# Altium PCB PCB1.PcbDoc (part 13 of 14)
Units mm, origin at the board's own origin, x right, y up, seen from the top; angles counter-clockwise.
Board outline 77.2 x 62.23 mm, 2 copper layers (Top Layer, Bottom Layer); 102 components, 131 nets, 23089 pads, 324 vias.
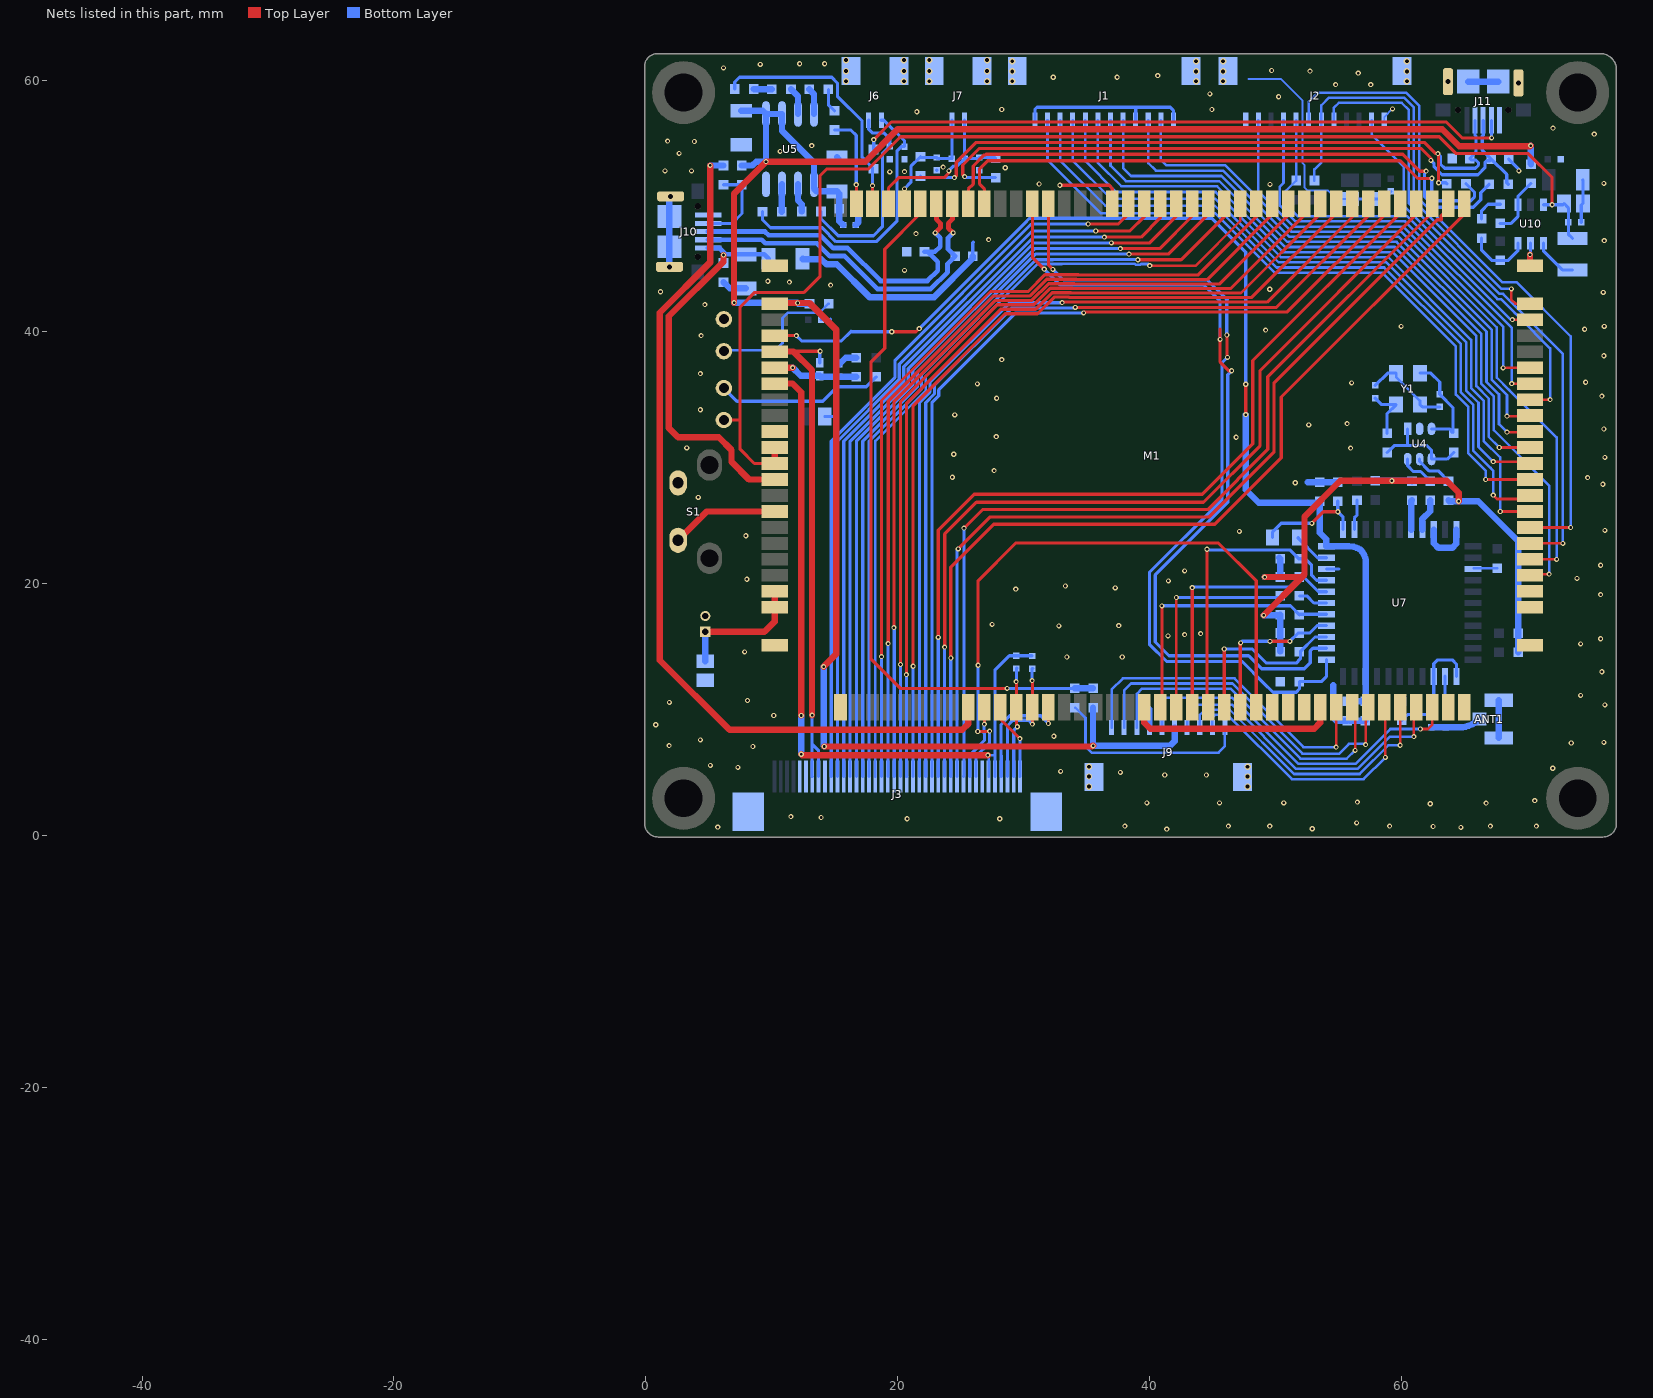
[diagram p13: the nets of this part, all layers, seen from the top]

## Via types
v1: diameter 0.406, hole 0.203, Top Layer to Bottom Layer, tented both sides, 294 vias
v2: diameter 0.508, hole 0.305, Top Layer to Bottom Layer, tented both sides, 30 vias

## Nets (pads, with @x,y where several pads share a name; then routed paths per layer and width w, separated by ;. In a path a pad name is that pad's centre, name@x,y a point inside that pad or via, vN(x,y) a via of type N, cw(c..) or ccw(c..) an arc to the next point about the centre after c; other vN are vias at no path point) (continued)
GND: ANT1.2 ANT1.3 C23.2 C24.2 C25.2 C28.2 C29.2 C32.1 C33.1 C34.2 C35.1 C36.2 C37.1 C39.2 C40.2 C41.2 C42.2 C43.2 C44.1 C45.2 C47.1 C48.1 C50.2 C51.2 C55.1 C56.1 C57.2 C102.2 C103.1 C104.2 C105.1 C110.2 D7.K D11.1 D12.1 D21.1 D22.1 J1.1 J1.9 J1.12 J1.13 J1.14 J2.1 J2.12 J2.13 J2.14 J3.5 J3.6 J3.9 J3.34 J3.41 J3.42 J6.3 J6.4 J7.3 J7.4 J8.2 J9.7 J9.11 J9.12 J10.5 J10.6 J11.5 J11.6 M1.9 M1.40 M1.51 M1.103 M1.121 M1.122 M1.123 M1.124 R74.2 R76.1 R77.2 R82.2 R102.1 R104.1 S1.1 U4.2 U5.8 U7.1 U7.3 U7.20 U7.31 U7.33 U7.36 U10.2 Y1.2 Y1.4 | length 134
  Top Layer w0.254: v1(32.893,51.638) 36.805,51.638 37.056,51.387 M1.103@37.056,50.175
  Top Layer w0.508: M1.9@10.231,32.08 M1.9@10.282,32.131 ; M1.40@39.596,10.175 39.596,8.943 40.056,8.484 53.086,8.484 53.566,8.964 M1.51@53.566,10.175 ; M1.124@70.231,45.24 v1(70.231,46.126)
  Bottom Layer w0.152: 47.879,60.096 50.444,60.096 52.146,58.395 52.146,53.416 52.324,53.238 52.324,51.46 52.553,51.232 54.153,51.232 54.842,50.543 C28.2@55.931,50.543 ; J2.12@58.654,56.805 58.654,57.054 v1(59.309,57.709)
  Bottom Layer w0.203: C29.2@14.212,33.274 15.113,33.274 ; Y1.2@59.595,36.723 59.595,36.417 61.495,34.517 Y1.4@61.495,34.223 ; U7.36@65.782,21.234 R74.2@67.615,21.234
  Bottom Layer w0.254: J10.6@1.878,50.658 J10.6@1.985,50.764 ; C23.2@13.919,40.97 14.656,40.97 14.681,40.996 ; C35.1@23.114,52.832 C35.1@23.122,52.84 ; D22.1@25.971,46.012 25.971,47.079 26.01,47.117 ; C39.2@26.492,52.832 C39.2@26.492,52.959 ; J1.1@30.909,56.805 30.909,57.655 31.09,57.836 38.837,57.836 ; J1.9@38.909,56.805 38.909,57.763 38.837,57.836 ; J1.12@41.909,56.805 41.909,57.583 41.656,57.836 38.837,57.836 ; U7.20@54.06,21.162 55.038,21.162 55.042,21.158 ; C28.2@55.931,50.543 C24.2@57.709,50.543 58.569,50.543 C25.2@59.182,51.156 ; C34.2@57.944,35.747 58.92,36.723 Y1.2@59.595,36.723 ; R77.2@60.043,9.141 60.503,9.601 C47.1@62.382,9.601 62.535,9.754 C48.1@62.535,10.744 62.585,10.794 U7.3@62.585,12.637 62.585,13.639 62.89,13.945 64.059,13.945 64.385,13.619 U7.1@64.385,12.637 ; Y1.4@61.495,34.223 61.682,34.036 C45.2@63.068,34.036 ; R104.1@66.389,48.971 66.389,49.632 66.897,50.14 R102.1@67.862,50.14 ; D12.1@68.542,53.721 69.342,52.921 v1(69.342,52.781) ; v1(70.231,46.126) 70.282,46.177 U10.2@70.282,47.041 ; C103.1@74.295,48.692 74.295,50.05 C102.2@74.435,50.19 74.435,52.06 C104.2@74.426,52.07
  Bottom Layer w0.508: J10.6@1.878,45.164 J10.6@1.878,46.77 J10.6@1.878,49.158 J10.6@1.878,50.658 ; C44.1@6.172,43.94 6.658,43.454 C42.2@7.95,43.454 ; C43.2@12.454,45.795 12.478,45.771 13.948,45.771 14.354,45.364 15.164,45.364 17.767,42.761 22.9,42.761 25.971,45.832 D22.1@25.971,46.012 ; C32.1@15.189,53.852 C32.1@15.295,53.746 ; C50.2@15.367,37.44 15.875,37.948 R76.1@16.713,37.948 ; C33.1@16.688,48.489 16.891,48.692 C110.2@16.891,49.784 ; 39.726,10.287 40,10.013 J9.7@40,8.56 ; 52.578,28.067 C56.1@54.966,28.067 ; 54.61,11.938 54.61,9.373 54.864,9.119 C57.2@55.702,9.119 ; C57.2@55.956,9.119 C51.2@57.15,9.119 ; U7.31@62.585,24.287 62.585,23.216 62.967,22.835 64.059,22.835 64.385,23.161 U7.33@64.385,24.287 ; J11.6@65.319,59.869 J11.6@67.707,59.869 ; ANT1.3@67.742,7.744 ANT1.2@67.742,10.744
  other v1: 41.377,0.508 52.934,0.533 64.745,0.635 5.715,0.66 62.535,0.711 38.049,0.737 46.279,0.737 49.555,0.737 59.08,0.737 67.081,0.737 70.739,0.737 56.464,0.991 20.752,1.321 28.118,1.321 13.919,1.422 11.532,1.499 62.306,2.515 66.751,2.565 39.802,2.591 45.568,2.591 50.673,2.591 56.515,2.642 70.612,2.769 41.224,4.801 44.526,4.801 37.694,5.004 32.944,5.08 72.034,5.334 7.315,5.41 5.131,5.563 8.509,7.061 1.854,7.137 73.508,7.341 76.098,7.391 4.343,7.595 32.41,7.874 0.787,8.788 10.16,9.525 76.175,10.363 1.88,10.566 8.077,10.719 74.244,11.125 75.946,13.005 33.452,14.173 37.846,14.173 7.849,14.58 74.244,15.215 75.844,15.621 41.478,15.85 42.799,15.951 44.069,16.027 32.817,16.637 37.567,16.662 27.508,16.764 75.844,19.126 29.388,19.558 37.287,19.66 33.325,19.812 41.504,20.218 8.026,20.345 73.965,20.422 42.799,21.006 75.844,21.463 7.95,23.8 47.142,24.155 76.175,24.232 4.166,26.848 76.022,27.889 51.587,28.016 74.803,28.423 24.359,28.448 27.661,28.981 76.175,30.023 24.46,30.277 55.982,30.759 3.251,30.785 46.888,31.623 27.838,31.674 76.098,32.283 52.654,32.614 55.702,32.715 24.536,33.401 4.343,33.807 27.864,34.722 75.946,34.9 26.34,35.865 56.058,35.941 74.651,35.992 4.343,36.678 28.27,37.795 76.098,38.1 4.394,39.7 49.225,40.132 74.574,40.208 59.995,40.437 76.124,40.437 4.699,42.164 76.048,43.129 1.168,43.18 49.555,43.383 14.681,43.713 11.405,43.942 9.703,44.018 20.549,44.882 76.124,47.244 27.229,47.32 21.463,47.803 49.581,51.714 31.242,51.74 76.098,51.791 19.38,52.705 20.549,52.73 1.524,52.781 3.632,52.781 28.55,53.035 23.622,53.086 2.642,54.178 10.668,54.331 13.183,54.788 3.861,55.118 1.727,55.143 75.336,55.702 72.06,56.185 21.539,57.48 28.27,57.658 44.958,57.658 50.267,58.674 44.806,58.903 54.788,59.639 57.582,59.639 32.36,60.223 37.44,60.223 40.665,60.35 56.591,60.554 52.756,60.706 49.708,60.757 6.172,60.96 9.093,61.239 12.217,61.29 14.199,61.29
  other v2: 35.2,3.88 47.8,3.88 35.2,4.68 47.8,4.68 35.2,5.46 47.8,5.46 15.904,59.905 20.504,59.905 22.514,59.905 27.114,59.905 29.109,59.905 43.709,59.905 45.854,59.905 60.454,59.905 29.109,60.685 43.709,60.685 45.854,60.685 60.454,60.685 15.904,60.705 20.504,60.705 22.514,60.705 27.114,60.705 29.109,61.485 43.709,61.485 45.854,61.485 60.454,61.485 15.904,61.585 20.504,61.585 22.514,61.585 27.114,61.585
HPL: C101.1 M1.118 R120.1 | length 19.8
  Top Layer w0.254: M1.118@18.006,50.175 18.006,51.61 v1(18.009,51.613)
  Bottom Layer w0.254: C101.1@7.061,59.284 7.061,59.842 7.442,60.223 14.767,60.223 15.224,59.767 15.224,58.716 17.174,56.766 17.174,54.542 17.18,54.536 17.18,53.864 18.009,53.035 v1(18.009,51.613)
HPR: C100.1 M1.119 | length 7.4
  Top Layer w0.254: v1(16.713,51.689) 16.736,51.666 M1.119@16.736,50.175
  Bottom Layer w0.254: C100.1@14.986,56.032 16.281,56.032 16.716,55.597 16.716,54.185 16.723,54.178 16.723,51.689 v1(16.713,51.689)
LCD-BL-EN: J3.33 M1.47 | length 51.7
  Top Layer w0.254: v1(26.365,8.255) 27.33,8.255 v1(27.305,8.28) ; v1(26.391,13.513) 26.391,20.244 29.362,23.216 45.491,23.216 48.486,20.221 M1.47@48.486,10.175
  Bottom Layer w0.254: J3.33@26.229,4.674 26.229,6.29 27.305,7.366 v1(27.305,8.28) ; v1(26.365,8.255) 26.391,8.28 v1(26.391,13.513)
LCD-CLK: J3.28 M1.84 | length 71.6
  Top Layer w0.254: v1(23.729,14.955) 23.747,14.973 23.747,23.951 26.264,26.467 44.296,26.467 48.793,30.964 48.793,36.932 61.186,49.324 M1.84@61.186,50.175
  Bottom Layer w0.254: J3.28@23.729,4.674 v1(23.729,14.955)
LCD-D2: J3.10 M1.102 | length 59.3
  Top Layer w0.254: v1(35.128,48.565) 37.541,48.565 38.326,49.35 M1.102@38.326,50.175
  Bottom Layer w0.254: J3.10@14.729,4.674 14.729,31.308 19.785,36.364 19.785,37.717 30.632,48.565 v1(35.128,48.565)
LCD-D3: J3.11 M1.101 | length 60.1
  Top Layer w0.254: v1(35.738,48.006) 38.456,48.006 39.596,49.146 M1.101@39.596,50.175
  Bottom Layer w0.254: J3.11@15.229,4.674 15.229,31.307 20.139,36.217 20.139,37.436 30.709,48.006 v1(35.738,48.006)
LCD-D4: J3.12 M1.100 | length 60.9
  Top Layer w0.254: v1(36.424,47.523) 39.345,47.523 40.866,49.045 M1.100@40.866,50.175
  Bottom Layer w0.254: J3.12@15.729,4.674 15.729,31.307 20.493,36.07 20.493,37.223 30.793,47.523 v1(36.424,47.523)
LCD-D5: J3.13 M1.99 | length 61.6
  Top Layer w0.254: v1(36.982,47.066) 40.03,47.066 42.136,49.172 M1.99@42.136,50.175
  Bottom Layer w0.254: J3.13@16.229,4.674 16.229,31.306 20.847,35.924 20.847,37.077 30.837,47.066 v1(36.982,47.066)
LCD-D6: J3.14 M1.98 | length 62.4
  Top Layer w0.254: v1(37.694,46.609) 40.818,46.609 43.406,49.197 M1.98@43.406,50.175
  Bottom Layer w0.254: J3.14@16.729,4.674 16.729,31.305 21.201,35.777 21.201,36.93 30.88,46.609 v1(37.694,46.609)
LCD-D7: J3.15 M1.97 | length 63.1
  Top Layer w0.254: v1(38.379,46.177) 41.504,46.177 44.676,49.35 M1.97@44.676,50.175
  Bottom Layer w0.254: J3.15@17.229,4.674 17.229,31.305 21.555,35.631 21.555,36.783 30.949,46.177 v1(38.379,46.177)
LCD-D10: J3.16 M1.96 | length 64
  Top Layer w0.254: v1(39.091,45.72) 42.52,45.72 45.946,49.146 M1.96@45.946,50.175
  Bottom Layer w0.254: J3.16@17.729,4.674 17.729,31.304 21.909,35.484 21.909,36.637 30.992,45.72 31.976,45.72 31.979,45.717 32.334,45.717 ; 32.334,45.72 32.359,45.745 39.066,45.745 v1(39.091,45.72)
LCD-D11: J3.17 M1.95 | length 65.1
  Top Layer w0.203: v1(40.03,45.263) 43.688,45.263 47.216,48.791 M1.95@47.216,50.175
  Bottom Layer w0.203: J3.17@18.229,4.674 18.229,31.339 22.238,35.348 22.238,36.501 31.125,45.388 33.05,45.388 33.078,45.416 38.822,45.416 38.923,45.315 39.258,45.315 39.331,45.388 39.905,45.388 v1(40.03,45.263)
LCD-D12: J3.18 M1.94 | length 66.7
  Top Layer w0.254: v1(18.721,14.197) 18.721,34.546 27.381,43.205 30.378,43.205 31.699,44.526 34.342,44.526 34.366,44.502 43.842,44.502 48.486,49.146 M1.94@48.486,50.175
  Bottom Layer w0.254: v1(18.721,14.197) 18.729,14.189 J3.18@18.729,4.674
LCD-D13: J3.19 M1.93 | length 67.3
  Top Layer w0.254: v1(19.253,15.24) 19.253,34.486 27.619,42.851 30.525,42.851 31.846,44.172 34.195,44.172 34.219,44.148 44.58,44.148 49.756,49.324 M1.93@49.756,50.175
  Bottom Layer w0.254: J3.19@19.229,4.674 19.229,15.216 v1(19.253,15.24)
LCD-D14: J3.20 M1.92 | length 68.2
  Top Layer w0.254: v1(19.71,16.51) 19.71,34.442 27.765,42.497 30.672,42.497 31.992,43.818 34.049,43.818 34.073,43.794 45.547,43.794 51.026,49.273 M1.92@51.026,50.175
  Bottom Layer w0.254: v1(19.71,16.51) 19.729,16.491 J3.20@19.729,4.674
LCD-D15: J3.21 M1.91 | length 68.9
  Top Layer w0.254: v1(20.229,13.578) 20.229,34.461 27.912,42.143 30.818,42.143 32.139,43.464 33.902,43.464 33.926,43.44 46.463,43.44 52.296,49.273 M1.91@52.296,50.175
  Bottom Layer w0.254: J3.21@20.229,4.674 v1(20.229,13.578)
LCD-D18: J3.22 M1.90 | length 69.6
  Top Layer w0.254: v1(20.701,12.776) 20.701,34.29 28.2,41.789 30.965,41.789 32.286,43.11 33.755,43.11 33.779,43.086 47.277,43.086 53.566,49.375 M1.90@53.566,50.175
  Bottom Layer w0.254: v1(20.701,12.776) 20.701,4.702 J3.22@20.729,4.674
LCD-D19: J3.23 M1.89 | length 70.2
  Top Layer w0.254: v1(21.229,13.442) 21.229,34.132 28.532,41.435 31.112,41.435 32.432,42.756 33.609,42.756 33.633,42.732 48.143,42.732 54.836,49.426 M1.89@54.836,50.175
  Bottom Layer w0.254: J3.23@21.229,4.674 v1(21.229,13.442)
LCD-D20: J3.24 M1.88 | length 71.7
  Top Layer w0.254: v1(33.071,42.316) 33.12,42.366 34.29,42.366 34.292,42.364 49.349,42.364 56.106,49.121 M1.88@56.106,50.175
  Bottom Layer w0.254: J3.24@21.729,4.674 21.729,34.375 22.566,35.212 22.566,35.977 28.905,42.316 v1(33.071,42.316)
LCD-D21: J3.25 M1.87 | length 72.3
  Top Layer w0.254: v1(34.112,41.935) 50.089,41.935 57.376,49.223 M1.87@57.376,50.175
  Bottom Layer w0.254: J3.25@22.229,4.674 22.229,34.374 22.92,35.065 22.92,35.747 29.059,41.886 34.063,41.886 v1(34.112,41.935)
LCD-D22: J3.26 M1.86 | length 73
  Top Layer w0.254: v1(34.773,41.504) 34.85,41.581 50.954,41.581 58.646,49.273 M1.86@58.646,50.175
  Bottom Layer w0.254: J3.26@22.729,4.674 22.729,34.373 23.274,34.918 23.274,35.39 29.388,41.504 v1(34.773,41.504)
LCD-D23: J3.27 M1.85 | length 71.3
  Top Layer w0.254: v1(23.229,15.734) 23.229,24.245 26.086,27.102 44.196,27.102 48.209,31.115 48.209,37.719 59.916,49.426 M1.85@59.916,50.175
  Bottom Layer w0.254: J3.27@23.229,4.674 v1(23.229,15.734)
LCD-DE: J3.31 M1.83 | length 71.4
  Top Layer w0.254: v1(25.273,24.409) 26.746,25.883 44.628,25.883 49.403,30.658 49.403,36.425 62.456,49.478 M1.83@62.456,50.175
  Bottom Layer w0.254: J3.31@25.229,4.674 25.273,4.717 v1(25.273,24.409)
LCD-HSYNC: J3.30 M1.82 | length 72
  Top Layer w0.254: v1(24.816,22.758) 27.356,25.298 44.755,25.298 49.886,30.429 49.886,35.916 62.868,48.898 63.183,48.898 63.183,49.213 63.726,49.756 M1.82@63.726,50.175
  Bottom Layer w0.254: J3.30@24.729,4.674 24.729,22.672 v1(24.816,22.758)
LCD-PWM: J3.32 M1.30 | length 6
  Top Layer w0.254: v1(26.896,8.839) M1.30@26.896,10.175
  Bottom Layer w0.254: J3.32@25.729,4.674 25.729,6.374 26.896,7.541 26.896,8.081 26.875,8.102 26.875,8.818 v1(26.896,8.839)
LCD-VSYNC: J3.29 M1.81 | length 72.7
  Top Layer w0.254: v1(24.229,14.095) 24.229,21.308 27.635,24.714 45.187,24.714 50.47,29.997 50.47,34.823 64.996,49.35 M1.81@64.996,50.175
  Bottom Layer w0.254: J3.29@24.229,4.674 v1(24.229,14.095)
LRADC0: M1.115 R68.2 R69.1 | length 56.4
  Top Layer w0.254: M1.115@21.816,50.175 21.816,49.4 18.974,46.558 18.974,38.684 17.882,37.592 17.882,14.021 20.244,11.659 20.26,11.674 v1(28.702,11.674)
  Bottom Layer w0.254: v1(28.702,11.674) R69.1@34.077,11.674
  Bottom Layer w0.508: R69.1@34.077,11.674 R68.2@35.525,11.674
MCLK-IN: R63.1 U7.30 | length 2.6
  Bottom Layer w0.508: U7.30@61.685,24.287 61.685,25.134 62.306,25.756 R63.1@62.306,26.619
MIC+: C35.2 C38.1 J7.1 M1.116 R110.1 | length 8.7
  Bottom Layer w0.254: v1(20.549,51.359) 21.057,51.867 21.057,53.137 R110.1@21.768,53.848 ; R110.1@21.819,53.899 R110.1@21.768,53.848 ; J7.1@24.314,56.805 24.314,53.765 C38.1@24.308,53.759 23.203,53.759 C35.2@23.114,53.848 R110.1@21.768,53.848
MIC-: C38.2 C39.1 J7.2 M1.117 R111.1 | length 14
  Top Layer w0.254: M1.117@19.276,50.175 19.276,51.435 20.089,52.248 23.691,52.248 24.122,52.68 24.122,52.738 v1(24.079,52.781)
  Bottom Layer w0.254: v1(24.079,52.781) 24.473,53.175 24.74,53.175 C38.2@25.324,53.759 ; J7.2@25.314,56.805 25.314,53.769 C38.2@25.324,53.759 ; R111.1@27.788,53.772 27.711,53.848 C39.1@26.492,53.848 26.403,53.759 C38.2@25.324,53.759
NetANT1_1: ANT1.1 C47.2 C49.2 | length 4
  Bottom Layer w0.508: C47.2@62.382,8.585 C49.2@63.525,8.585 64.626,8.585 ccw(c64.626,10.835) ANT1.1@66.217,9.244
NetC34_1: C34.1 R62.2 Y1.1 | length 4.4
  Bottom Layer w0.254: C34.1@57.944,34.731 58.452,34.223 Y1.1@59.595,34.223 58.884,33.512 R62.2@58.884,31.937
NetC36_1: C36.1 J6.2 L3.1 | length 22
  Bottom Layer w0.254: L3.1@9.271,49.53 9.271,48.895 9.906,48.26 14.009,48.26 15.101,47.168 18.313,47.168 19.964,48.819 19.964,54.381 20.295,54.712 C36.1@20.549,54.712 20.549,55.169 18.912,56.805 J6.2@18.704,56.805
NetC40_1: C40.1 J6.1 L4.1 | length 16.2
  Bottom Layer w0.254: L4.1@13.919,49.555 13.919,48.997 15.291,47.625 18.085,47.625 18.796,48.336 18.796,54.153 C40.1@19.38,54.737 19.38,55.321 18.898,55.804 17.983,55.804 17.704,56.083 J6.1@17.704,56.805
NetC45_1: C45.1 R65.1 U4.3 Y1.3 | length 8.1
  Bottom Layer w0.254: Y1.3@61.495,36.723 62.362,36.723 63.068,36.017 C45.1@63.068,35.052 63.068,35.032 64.11,33.99 64.11,31.994 63.811,32.293 U4.3@62.409,32.293
NetC48_2: C48.2 C49.1 U7.2 | length 3.1
  Bottom Layer w0.254: U7.2@63.485,12.637 63.485,10.81 C48.2@63.551,10.744 63.525,10.719 C49.1@63.525,9.601
NetC56_2: C56.2 L2.2 U7.23 | length 8.7
  Top Layer w0.254: v1(52.908,24.79) 53.823,25.705 v1(54.966,25.705)
  Bottom Layer w0.254: L2.2@49.784,23.673 49.784,24.105 50.47,24.79 v1(52.908,24.79) ; C56.2@54.966,26.543 v1(54.966,25.705) 55.385,25.286 U7.23@55.385,24.287
NetC100_2: C100.2 R66.1 | length 1.9
  Bottom Layer w0.254: R66.1@14.503,59.258 14.503,58.039 C100.2@14.986,57.556
NetC101_2: C101.2 R67.1 | length 1.4
  Bottom Layer w0.508: C101.2@8.585,59.284 8.611,59.258 R67.1@10.008,59.258
NetD6_K: D6.K R83.1 | length 13.3
  Bottom Layer w0.254: D6.K@6.2,35.533 7.24,34.493 14.072,34.493 15.215,35.636 17.526,35.636 R83.1@18.313,36.424
NetD7_A: D7.A R92.1 | length 11.1
  Bottom Layer w0.203: D7.A@6.2,38.462 6.27,38.532 10.287,38.532 10.858,39.103 10.858,41.084 11.303,41.529 13.818,41.529 R92.1@14.529,42.24
NetJ9_1: J9.1 R69.2 | length 16.4
  Bottom Layer w0.203: R69.2@34.112,10.15 34.925,9.338 34.925,7.061 35.408,6.579 45.491,6.579 46,7.087 J9.1@46,8.56
NetJ10_4: J10.4 R70.2 R71.1 | length 6.8
  Bottom Layer w0.254: J10.4@4.953,48.614 6.858,48.614 7.645,49.402 7.645,51.664 R71.1@7.62,51.689 R70.2@6.172,51.689
NetJ11_4: J11.4 R120.2 | length 52.4
  Top Layer w0.254: v1(18.11,55.27) 19.507,56.667 63.576,56.667 64.846,55.397 v1(67.183,55.397)
  Bottom Layer w0.254: R120.2@18.085,54.483 18.11,54.508 v1(18.11,55.27) ; J11.4@67.163,56.794 67.163,55.417 v1(67.183,55.397)
NetL1_2: L1.2 U10.1 | length 3.5
  Bottom Layer w0.254: U10.1@71.298,47.041 71.298,46.431 72.807,44.922 L1.2@73.609,44.922
NetL2_1: L2.1 U7.21 | length 3
  Bottom Layer w0.254: L2.1@51.816,23.673 51.816,23.597 53.35,22.062 U7.21@54.06,22.062
NetL3_2: L3.2 U5.7 | length 2.2
  Bottom Layer w0.508: L3.2@10.795,49.53 10.795,51.689 U5.7@10.82,51.714
NetL4_2: L4.2 U5.6 | length 2.3
  Bottom Layer w0.508: U5.6@12.09,51.714 12.09,50.444 12.395,50.14 L4.2@12.395,49.555
NetM1_111: M1.111 R113.1 | length 46.1
  Top Layer w0.254: M1.111@26.896,50.175 26.896,51.352 26.515,51.733 26.515,52.959 27.15,53.594 59.911,53.594 61.33,52.175 62.411,52.175 v1(62.433,52.197)
  Bottom Layer w0.254: v1(62.433,52.197) 62.433,50.859 62.886,50.406 65.519,50.406 65.811,50.698 65.811,51.105 R113.1@65.151,51.765
NetM1_112: M1.112 R112.1 | length 48.7
  Top Layer w0.254: M1.112@25.626,50.175 25.626,51.352 26.007,51.733 26.007,53.169 26.89,54.052 26.987,54.052 27.037,54.102 60.122,54.102 61.464,52.759 v1(61.98,52.759)
  Bottom Layer w0.254: v1(61.98,52.759) 61.849,52.628 61.849,50.725 62.676,49.898 65.73,49.898 66.319,50.488 66.319,51.054 R112.1@66.98,51.714
NetR62_1: R62.1 R65.2 U4.1 U4.4 | length 7.9
  Bottom Layer w0.254: R62.1@58.884,30.413 59.433,30.963 60.554,30.963 ; U4.1@60.509,32.293 60.509,31.007 60.554,30.963 ; R65.2@64.167,30.413 63.646,29.893 U4.4@62.409,29.893 62.409,30.606 62.052,30.963 60.554,30.963
NetR63_2: R63.2 U4.6 | length 2.8
  Bottom Layer w0.254: U4.6@60.509,29.893 60.509,29.356 60.96,28.905 61.544,28.905 R63.2@62.306,28.143
NetR64_2: R64.2 U4.5 | length 3.1
  Bottom Layer w0.254: U4.5@61.459,29.893 61.459,29.701 62.205,28.956 62.941,28.956 R64.2@63.754,28.143
NetR66_2: R66.2 U5.4 | length 2.1
  Bottom Layer w0.508: R66.2@12.979,59.258 13.36,58.877 U5.4@13.36,57.302
NetR67_2: R67.2 U5.3 | length 2.2
  Bottom Layer w0.508: R67.2@11.532,59.258 12.09,58.699 U5.3@12.09,57.302
NetR75_1: R75.1 U7.29 | length 2.4
  Bottom Layer w0.508: U7.29@60.785,24.287 60.785,26.546 R75.1@60.858,26.619
NetR79_1: R79.1 U7.24 | length 2.4
  Bottom Layer w0.254: U7.24@56.285,24.287 56.285,25.221 56.49,25.425 R79.1@56.49,26.619
NetR84_1: R84.1 U7.17 | length 2.4
  Bottom Layer w0.254: R84.1@51.918,19.025 52.502,19.025 53.064,18.462 U7.17@54.06,18.462
NetR101_2: R101.2 R102.2 U10.4 | length 4.7
  Bottom Layer w0.254: R102.2@67.862,48.616 68.732,48.616 69.266,49.149 U10.4@69.266,50.089 69.266,50.749 R101.2@70.307,51.791
NetR103_1: R103.1 R104.2 U10.3 | length 5.1
  Bottom Layer w0.254: R104.2@66.389,47.447 66.389,46.463 67.183,45.669 R103.1@67.869,45.669 68.504,45.669 69.266,46.431 U10.3@69.266,47.041
PB6: M1.48
PE0_CSI-PCLK: J1.7 M1.63 | length 61.5
  Top Layer w0.203: M1.63@70.231,20.65 70.333,20.752 v1(71.755,20.752)
  Bottom Layer w0.203: J1.7@36.909,56.805 36.909,53.197 38.138,51.968 45.549,51.968 50.781,46.736 59.476,46.736 66.37,39.842 66.37,35.861 67.361,34.87 67.361,32.182 71.755,27.788 v1(71.755,20.752)
PE1_CSI-MCLK: J1.11 M1.64 | length 57.8
  Top Layer w0.203: M1.64@70.231,21.92 v1(72.339,21.92)
  Bottom Layer w0.203: J1.11@40.909,56.805 40.909,53.655 41.351,53.213 46.029,53.213 51.286,47.955 59.981,47.955 67.589,40.347 67.589,36.366 68.573,35.382 68.58,35.382 72.339,31.623 v1(72.339,21.92)
PE2_CSI-HSYNC: J2.8 M1.65 | length 49.6
  Top Layer w0.203: M1.65@70.231,23.19 v1(72.847,23.19)
  Bottom Layer w0.203: J2.8@54.654,56.805 54.654,57.804 55.042,58.191 60.046,58.191 60.604,57.633 60.604,50.209 67.804,43.009 68.084,43.009 69.209,41.885 69.213,41.885 69.748,41.349 69.748,41.345 72.847,38.247 v1(72.847,23.19)
PE3_CSI-VSYNC: J2.6 M1.66 | length 53.4
  Top Layer w0.203: M1.66@70.231,24.46 v1(73.457,24.46)
  Bottom Layer w0.203: J2.6@52.654,56.805 52.654,58.268 53.391,59.004 60.382,59.004 61.417,57.969 61.417,50.546 68.039,43.924 69.182,43.924 73.457,39.649 v1(73.457,24.46)
PE4_CSI-D0: J1.5 M1.67 | length 56.7
  Top Layer w0.203: v1(67.869,25.73) M1.67@70.231,25.73
  Bottom Layer w0.203: J1.5@34.909,56.805 34.909,53.559 37.363,51.105 45.263,51.105 50.445,45.923 58.988,45.923 65.557,39.354 65.557,35.524 66.548,34.533 66.548,31.336 67.869,30.016 v1(67.869,25.73)
PE5_CSI-D1: J1.3 M1.68 | length 57.3
  Top Layer w0.203: v1(67.31,27.026) 67.615,26.721 69.952,26.721 M1.68@70.231,27
  Bottom Layer w0.203: J1.3@32.909,56.805 32.909,53.603 36.5,50.013 45.206,50.013 50.108,45.11 58.652,45.11 64.745,39.017 64.745,35.187 65.735,34.197 65.735,30.549 67.1,29.185 67.107,29.185 67.31,28.981 v1(67.31,27.026)
PE6_CSI-D2: J1.2 M1.69 | length 56.8
  Top Layer w0.203: v1(66.7,28.27) M1.69@70.231,28.27
  Bottom Layer w0.203: J1.2@31.909,56.805 31.909,53.638 36.144,49.403 45.241,49.403 49.94,44.704 58.483,44.704 64.338,38.849 64.338,35.019 65.329,34.028 65.329,30.353 66.7,28.981 v1(66.7,28.27)